# Altium PCB main_control_board.PcbDoc
Units mil, origin at the board's own origin, x right, y up, seen from the top; angles counter-clockwise.
Board outline 6000 x 4000 mil, 2 copper layers (Top Layer, Bottom Layer); 58 components, 57 nets, 284 pads, 110 vias.
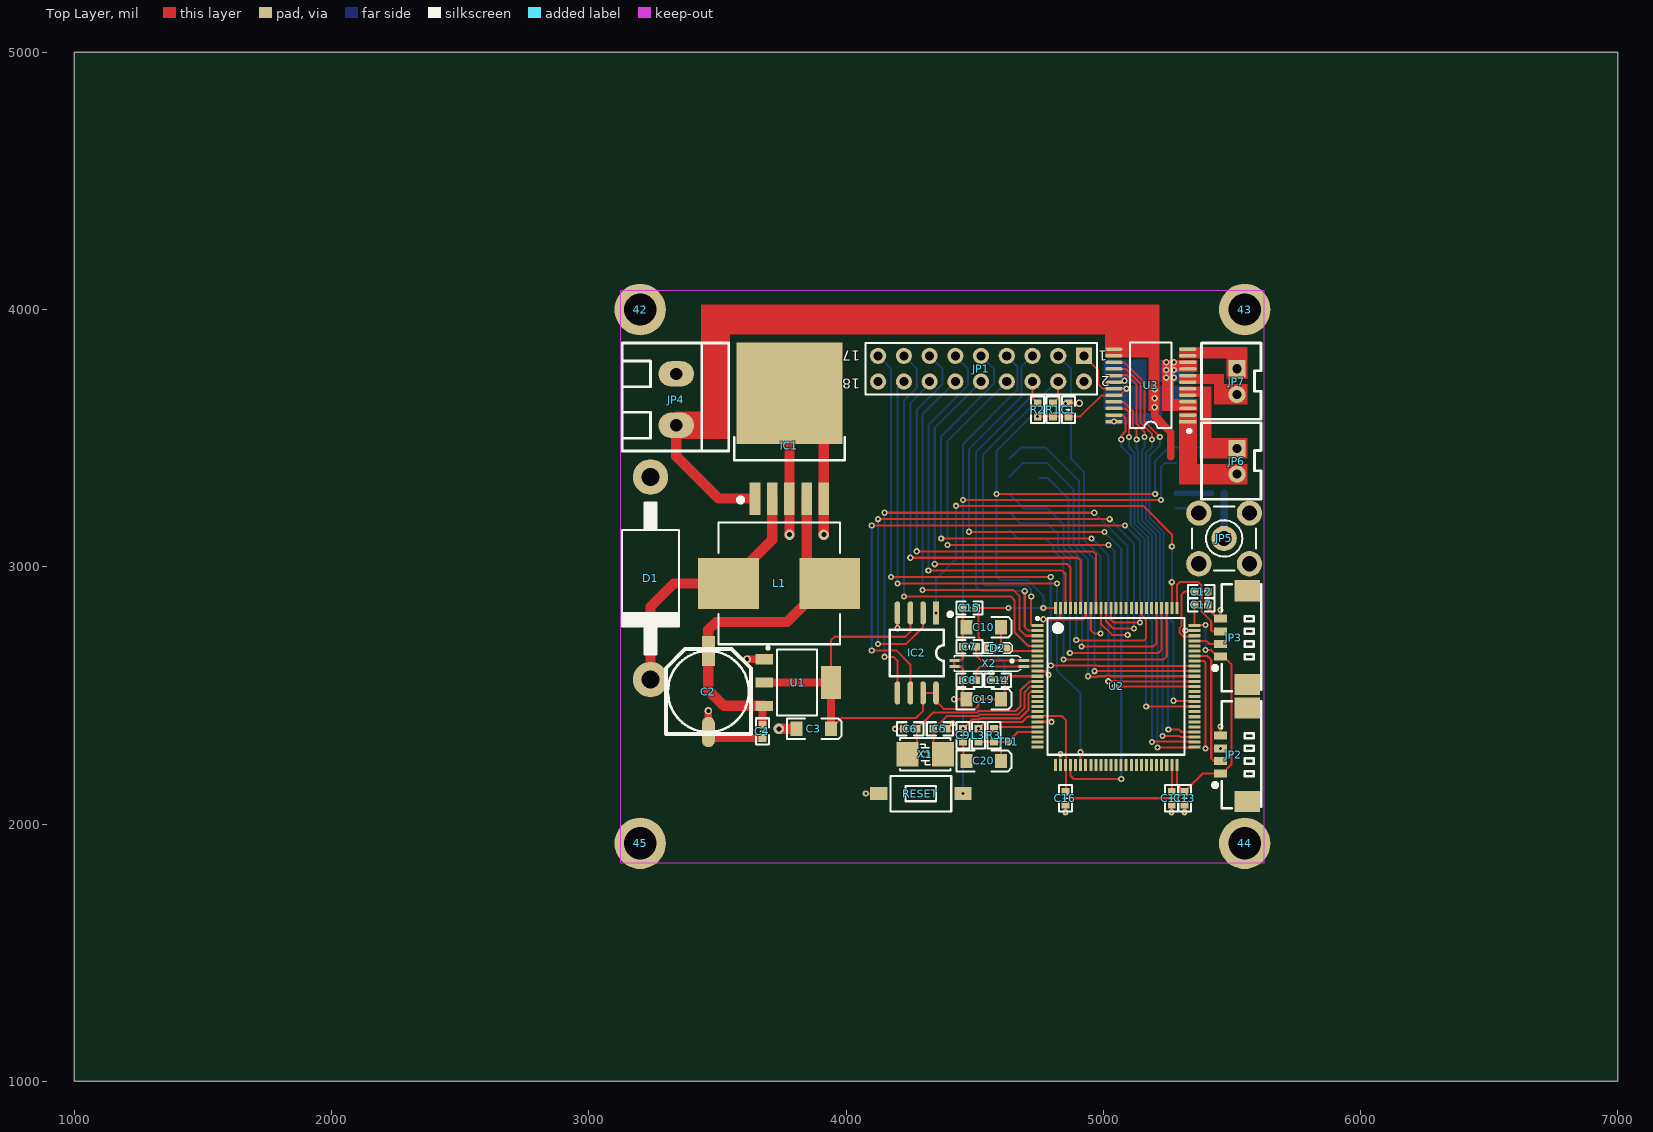
[diagram p0: Top Layer view]
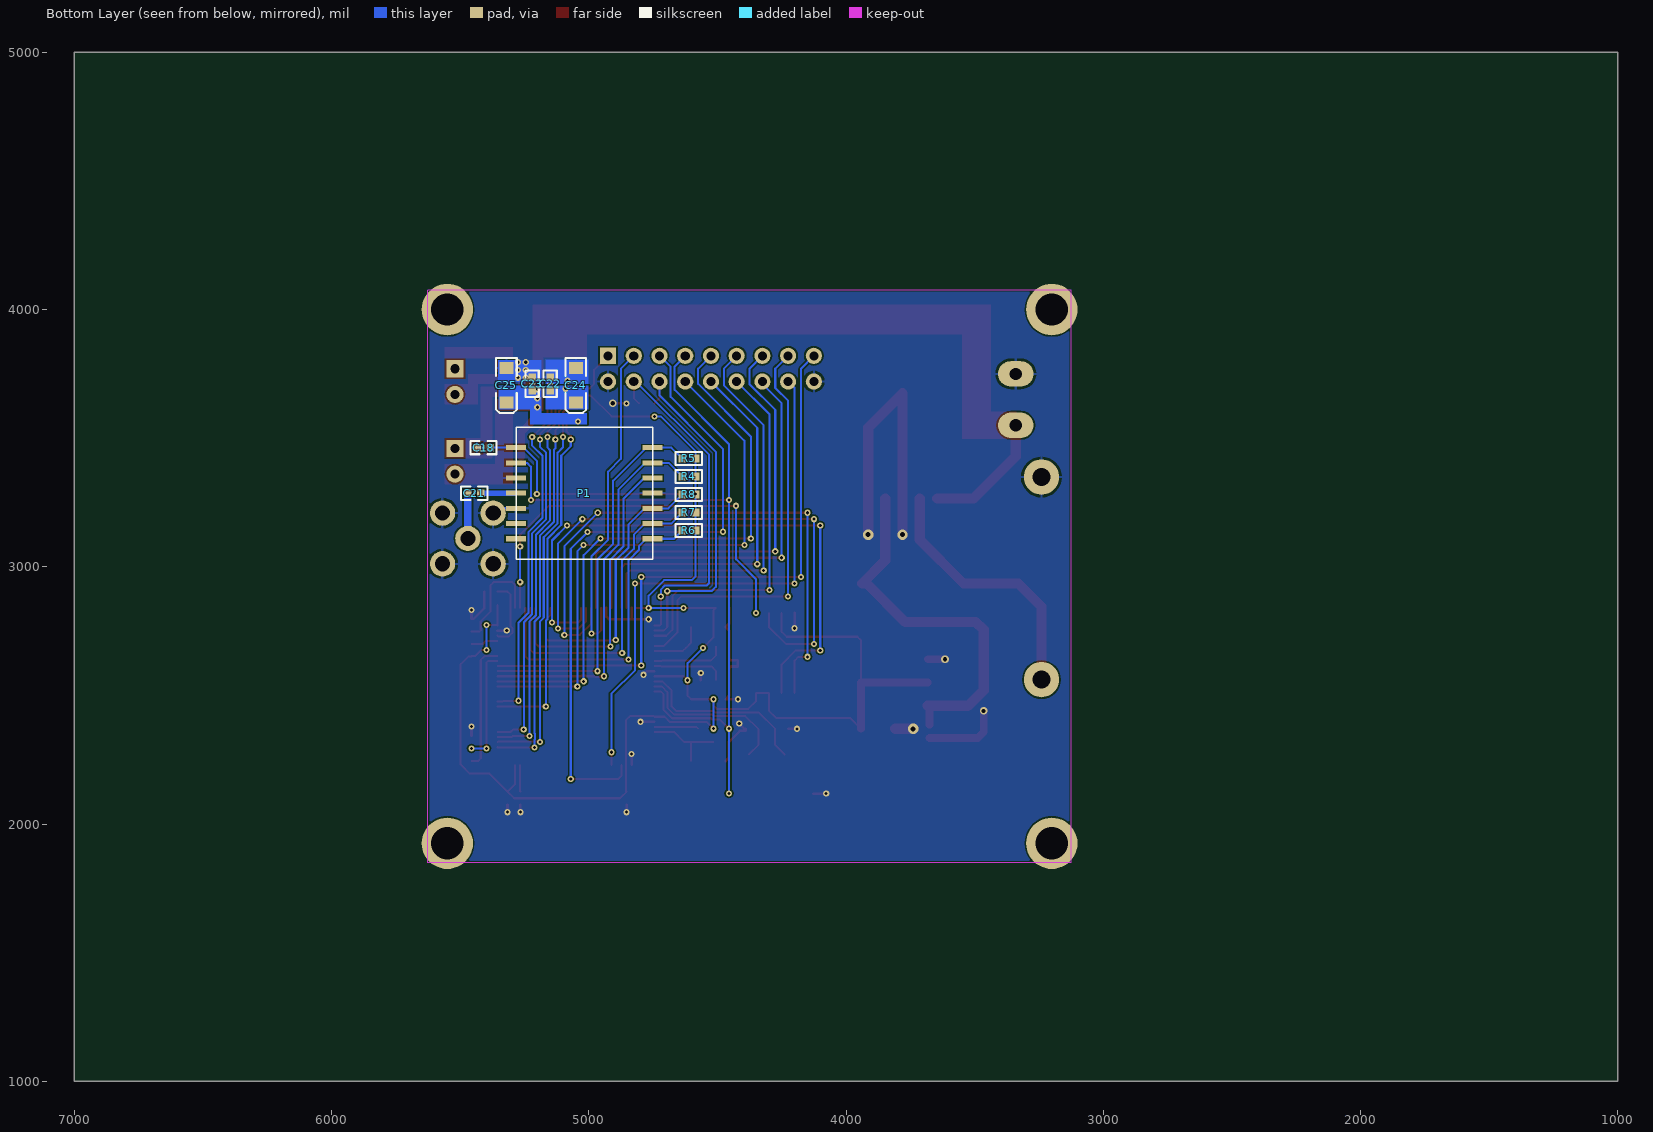
[diagram p1: Bottom Layer view, seen from below]

## Layer stack, top to bottom
Top Solder: solder mask 0.4, Solder Resist, Dk 3.5
Top Layer: signal copper 1.4
Dielectric 1: dielectric 12.6, FR-4, Dk 4.8
Bottom Layer: signal copper 1.4
Bottom Solder: solder mask 0.4, Solder Resist, Dk 3.5

## Board outline
1000,1000 7000,1000 7000,5000 1000,5000

## Design rules (kind name [scope] priority, off if disabled: settings)
Clearance [All] p1: gap=6
PolygonConnect PolygonConnect_Via [IsVia] p1: connectstyle=Direct reliefconductorwidth=10 reliefentries=4 polygonreliefangle="90 Angle" airgapwidth=10
PolygonConnect [All] p2: connectstyle=Relief reliefconductorwidth=10 reliefentries=4 polygonreliefangle="90 Angle" airgapwidth=10
RoutingVias [All] p1: holewidth=10 width=20 viastyle="Through Hole" minholewidth=10 minwidth=20 maxholewidth=28 maxwidth=50
SolderMaskExpansion [All] p1: expansion=4
Width [All] p1: maxlimit=50 minlimit=6 preferedwidth=10
30 further rules are at their usual default settings.

## Classes and differential pairs
component class U_camera: C1 JP1 R1 R2
component class U_debug_interface: JP2 JP3
component class U_tb6612fng: C22 C23 C24 C25 JP6 JP7 U3
component class U_power: C2 C3 C4 D1 IC1 JP4 L1 U1
component class U_spi_flash: IC2
component class U_stm32f4x7v: C5 C6 C7 C8 C9 C10 C11 C12 C13 C14 C15 C16 C17 C18 C19 C20 D2 L3 R3 RESET TP1 U2 X1 X2
component class U_wifi: C21 JP5 P1 R4 R5 R6 R7 R8

## Components (designator, comment, footprint, x,y, rotation, side; value= is the part's Value field where it differs from the comment)
42 "Comment" "M3 125X200" 3200,4000 r0 top
43 "Comment" "M3 125X200" 5550,4000 r0 top
44 "Comment" "M3 125X200" 5550,1925 r0 top
45 "Comment" "M3 125X200" 3200,1925 r0 top
C1 "104" "C 0603_L" 4865.01,3610 r270 top
C2 "220uF" "CM E(8*10.2)" 3465,2515 r90 top
C3 "10uF" "CD A(3216)" 3875,2370 r180 top
C4 "104" "C 0603_L" 3675,2360 r90 top
C5 "22pF" "C 0603_L" 4365,2370 r180 top
C6 "22pF" "C 0603_L" 4250,2370 r0 top
C7 "10pF" "C 0603_L" 4480,2689 r180 top
C8 "10pF" "C 0603_L" 4480,2559 r180 top
C9 "104" "C 0603_L" 4455,2345 r90 top
C10 "0.2F/3.3V" "CD A(3216)" 4535,2765 r180 top
C11 "2.2uF" "C 0603_L" 5266,2100 r90 top
C12 "2.2uF" "C 0603_L" 5381,2903 r180 top
C13 "104" "C 0603_L" 5316,2100 r90 top
C14 "104" "C 0603_L" 4590,2559 r0 top
C15 "104" "C 0603_L" 4480,2840 r0 top
C16 "104" "C 0603_L" 4853,2100 r90 top
C17 "104" "C 0603_L" 5381,2852 r180 top
C18 "104" "C 0603_L" 5409,3463 r180 bottom
C19 "10uF" "CD A(3216)" 4535,2485 r180 top
C20 "10uF" "CD A(3216)" 4535,2245 r180 top
C21 "104" "C 0603_L" 5445,3286 r180 bottom
C22 "104" "C 0603_L" 5150,3711.1 r270 bottom
C23 "104" "C 0603_L" 5220,3711.1 r270 bottom
C24 "10uF" "CD A(3216)" 5050,3706.1 r90 bottom
C25 "10uF" "CD A(3216)" 5320,3706.1 r90 bottom
D1 "1N5822" DO_201_AD 3240,2955 r270 top
D2 "Diode 1N4148" SOD-523 4590,2684 r0 top
IC1 "LM2576" TO263-5A 3780,3265 r0 top
IC2 "W25Qxx" SOP8W_N 4275,2665 r270 top
JP1 "OV2640" HDR2.54-LI-2x9P 4525,3770 r180 top
JP2 "USART1" "MX 1.25-LS-4P" 5545,2270 r90 top
JP3 "JLINK" "MX 1.25-LS-4P" 5545,2725 r90 top
JP4 "POWER" KF128-5.08-2P 3340,3650 r270 top
JP5 "SMA WIFI 天线接口" SMA_FR 5470,3110 r270 top
JP6 "HDR-1X2" XH2.54-LI-2P 5520,3410 r270 top
JP7 "HDR-1X2" XH2.54-LI-2P 5520,3720 r270 top
L1 "33uH" CDRH127 3740,2935 r0 top
L3 "Inductor" "R 0603_L" 4515,2345 r90 top
P1 "88W-8782/8801" W8782_MODULE 5020,3285 r270 bottom
R1 "2.2K" "R 0603_L" 4805,3610 r270 top
R2 "2.2K" "R 0603_L" 4745,3610 r270 top
R3 "0000" "R 0603_L" 4575,2345 r90 top
R4 "10K" "R 0603_L" 4611,3351 r0 bottom
R5 "10K" "R 0603_L" 4611,3421 r180 bottom
R6 "10K" "R 0603_L" 4611,3141 r180 bottom
R7 "10K" "R 0603_L" 4611,3211 r180 bottom
R8 "10K" "R 0603_L" 4611,3281 r180 bottom
RESET "RESET" "micro button_2_SMD" 4291,2118 r0 top
TP1 "Test" "TEST 0.8" 4630,2320 r0 top
U1 "AMS1117" SOT_223 3810,2550 r270 top
U2 "STM32F407VGT6" LQFP100_V 5050,2535 r0 top
U3 "TB6612FNG" SSOP24_N 5185,3705 r180 top
X1 "8MHz" "OSC 5032-2P" 4308,2270.59 r180 top
X2 "32.768KHz" "OSC MC-146" 4555,2624 r180 top

## Footprints (in the part's own frame and the unit in brackets; to place one, negate y for a bottom-side part, rotate by r counter-clockwise, add the part's x,y. Pads: shape width x height; smd on the part's side, far side on the other; paste and mask are expansions set on the pad)
"C 0603_L" [mil] "无极性贴片电容"
  rect 30x30 smd: 1(-25.59,0) 2(25.59,0)
  silkscreen extent -51,-26 51,26, body extent -31,-16 31,16, height 32
"CD A(3216)" [mm] "长3.2mm，宽1.6mm，厚1.6mm"
  rect 1.2x1.4 smd: 1(-1.7,0) 2(1.7,0)
  silkscreen extent -2.74,-1.02 2.67,1.02, body extent -1.6,-0.8 1.6,0.8, height 1.6
CDRH127 [mm]
  rect 6x5 smd: 1(-5,0) 2(5,0)
  silkscreen extent -6,-6 6,6, body extent -6,-6 6,6, height 7.5
"CM E(8*10.2)" [mm] "贴片电解电容，直径8mm，高10.2mm"
  rect 3x1.3 smd: 1(4,0)
  oval 3x1.3 smd: 2(-4,0)
  silkscreen extent -4.2,-4.2 4.2,4.2, body extent -4.5,-4.15 4.5,4.15, height 10.2
DO_201_AD [mm]
  round 3.5 hole 1.8: 1(-10,0) 2(10,0)
  silkscreen extent -7.5,-2.8 7.5,2.8, body extent -10.65,-2.65 10.65,2.65, height 5.65
HDR2.54-LI-2x9P [mm] "双排排针，9x2脚"
  rect 1.6x1.6 hole 0.9: 1(-10.16,-1.27)
  round 1.6 hole 0.9: 2(-10.16,1.27) 3(-7.62,-1.27) 4(-7.62,1.27) 5(-5.08,-1.27) 6(-5.08,1.27) 7(-2.54,-1.27) 8(-2.54,1.27) 9(0,-1.27) 10(0,1.27) 11(2.54,-1.27) 12(2.54,1.27) 13(5.08,-1.27) 14(5.08,1.27) 15(7.62,-1.27) 16(7.62,1.27) 17(10.16,-1.27) 18(10.16,1.27)
  silkscreen extent -11.43,-2.54 11.43,2.54, body extent -11.43,-2.54 11.43,2.54, height 8.5
KF128-5.08-2P [mm] "螺钉式接线端子，脚距5.08mm"
  oval 2.5x3.5 hole 1.2: 1(-2.54,0) 2(2.54,0)
  silkscreen extent -5.59,-5.31 5.08,5.21, body extent -5.58,-5.3 5.08,5.2, height 14.15
LQFP100_V [mm] "Thin QFP, 100-Leads, Body 14x14mm, Pitch 0.5mm, ST Recommended"
  rect 1.2x0.3 smd: 1(-7.75,6) 2(-7.75,5.5) 3(-7.75,5) 4(-7.75,4.5) 5(-7.75,4) 6(-7.75,3.5) 7(-7.75,3) 8(-7.75,2.5) 9(-7.75,2) 10(-7.75,1.5) 11(-7.75,1) 12(-7.75,0.5) 13(-7.75,0) 14(-7.75,-0.5) 15(-7.75,-1) 16(-7.75,-1.5) 17(-7.75,-2) 18(-7.75,-2.5) 19(-7.75,-3) 20(-7.75,-3.5) 21(-7.75,-4) 22(-7.75,-4.5) 23(-7.75,-5) 24(-7.75,-5.5) 25(-7.75,-6) 51(7.75,-6) 52(7.75,-5.5) 53(7.75,-5) 54(7.75,-4.5) 55(7.75,-4) 56(7.75,-3.5) 57(7.75,-3) 58(7.75,-2.5) 59(7.75,-2) 60(7.75,-1.5) 61(7.75,-1) 62(7.75,-0.5) 63(7.75,0) 64(7.75,0.5) 65(7.75,1) 66(7.75,1.5) 67(7.75,2) 68(7.75,2.5) 69(7.75,3) 70(7.75,3.5) 71(7.75,4) 72(7.75,4.5) 73(7.75,5) 74(7.75,5.5) 75(7.75,6)
  rect 0.3x1.2 smd: 26(-6,-7.75) 27(-5.5,-7.75) 28(-5,-7.75) 29(-4.5,-7.75) 30(-4,-7.75) 31(-3.5,-7.75) 32(-3,-7.75) 33(-2.5,-7.75) 34(-2,-7.75) 35(-1.5,-7.75) 36(-1,-7.75) 37(-0.5,-7.75) 38(0,-7.75) 39(0.5,-7.75) 40(1,-7.75) 41(1.5,-7.75) 42(2,-7.75) 43(2.5,-7.75) 44(3,-7.75) 45(3.5,-7.75) 46(4,-7.75) 47(4.5,-7.75) 48(5,-7.75) 49(5.5,-7.75) 50(6,-7.75) 76(6,7.75) 77(5.5,7.75) 78(5,7.75) 79(4.5,7.75) 80(4,7.75) 81(3.5,7.75) 82(3,7.75) 83(2.5,7.75) 84(2,7.75) 85(1.5,7.75) 86(1,7.75) 87(0.5,7.75) 88(0,7.75) 89(-0.5,7.75) 90(-1,7.75) 91(-1.5,7.75) 92(-2,7.75) 93(-2.5,7.75) 94(-3,7.75) 95(-3.5,7.75) 96(-4,7.75) 97(-4.5,7.75) 98(-5,7.75) 99(-5.5,7.75) 100(-6,7.75)
  silkscreen extent -7.87,-6.75 6.75,6.82, body extent -7,-7 7,7, height 1.6
"M3 125X200" [mil] "M3螺丝孔，孔125Mil，焊盘200Mil"
  round 200 hole 125: 1(0,0)
"micro button_2_SMD" [mm]
  rect 1.7x1.3 smd: 1(-4.15,0) 2(4.15,0)
  silkscreen extent -3,-1.76 3,1.74, body extent -4.5,-1.75 4.5,1.75, height 4.51
"MX 1.25-LS-4P" [mm] "长：9.75m，宽：3.7mm，高：4.7mm"
  rect 2.1x2.5 smd: 0(-4.632,-0.381) 0(4.604,-0.381)
  rect 0.8x1.3 smd: 1(-1.889,2.261) 2(-0.639,2.261) 3(0.611,2.261) 4(1.861,2.261)
  silkscreen extent -5.29,-1.78 5.27,2.99, body extent -5.07,-1.6 5.07,2.5, height 4.7
"OSC 5032-2P" [mm] "5mm*3.2mm*0.8mm(长*宽*高)"
  rect 2.2x2.4 smd: 1(-1.75,0) 2(1.75,0)
  silkscreen extent -2.5,-1.6 2.5,1.6, body extent -2.5,-1.6 2.5,1.6, height 0.86
"OSC MC-146" [mm] "6.7mm*1.5mm*1.4mm(长*宽*高)"
  rect 1x0.3 smd: 1(-3.45,-0.3) 2(3.4,-0.3) 3(3.4,0.3) 4(-3.45,0.3)
  silkscreen extent -3.17,-0.76 3.43,0.76, body extent -3.45,-0.75 3.45,0.75, height 1.45
"R 0603_L" [mil] "1/10W贴片电阻"
  rect 30x30 smd: 1(-25.59,0) 2(25.59,0)
  silkscreen extent -51,-26 51,26, body extent -31,-16 32,16, height 16
SMA_FR [mm] "SMA 90度射频天线座"
  round 2.5 hole 1.5: 1(0,0) 2(-2.5,2.5) 2(2.5,2.5) 3(-2.5,-2.5) 3(2.5,-2.5)
  silkscreen extent -3.15,-3.15 3.15,3.15, body extent -3.5,-3.5 3.5,11.6, height 10.26
SOD-523 [mm] "1.2x0.8X0.6mm（长宽高，不包括引脚）"
  rect 0.8x0.7 smd: 1(-0.85,0)
  oct 0.8x0.7 smd: 2(0.85,0)
  silkscreen extent -1.4,-0.51 1.45,0.51, body extent -0.8,-0.4 0.8,0.4, height 0.65
SOP8W_N [mm] "5.3*8.3*1.8mm（长宽高）"
  rect 2.3x0.55 smd: 1(-3.95,1.905)
  oval 2.3x0.55 smd: 2(-3.95,0.635) 3(-3.95,-0.635) 4(-3.95,-1.905) 5(3.95,-1.905) 6(3.95,-0.635) 7(3.95,0.635) 8(3.95,1.905)
  silkscreen extent -3.94,-2.67 2.29,3.43, body extent -3.94,-2.64 3.94,2.64, height 1.9
SOT_223 [mm]
  rect 1x1.7 smd: 1(-2.3,-3.25) 2(0,-3.25) 3(2.3,-3.25)
  rect 3.3x2 smd: 2(0,3.349)
  silkscreen extent -3.53,-3 3.28,1.98, body extent -3.25,-3.51 3.25,3.51, height 1.93
SSOP24_N [mm] "8.3*7.8*1.6（长宽高）"
  rect 1.7x0.35 smd: 1(-3.65,3.575)
  oval 1.7x0.35 smd: 2(-3.65,2.925) 3(-3.65,2.275) 4(-3.65,1.625) 5(-3.65,0.975) 6(-3.65,0.325) 7(-3.65,-0.325) 8(-3.65,-0.975) 9(-3.65,-1.625) 10(-3.65,-2.275) 11(-3.65,-2.925) 12(-3.65,-3.575) 13(3.65,-3.575) 14(3.65,-2.925) 15(3.65,-2.275) 16(3.65,-1.625) 17(3.65,-0.975) 18(3.65,-0.325) 19(3.65,0.325) 20(3.65,0.975) 21(3.65,1.625) 22(3.65,2.275) 23(3.65,2.925) 24(3.65,3.575)
  silkscreen extent -3.93,-4.23 2.06,4.63, body extent -3.85,-4.15 3.85,4.15, height 1.65
"TEST 0.8" [mm] "测试点0.8mm"
  round 0.8 smd: 1(0,0)
TO263-5A [mm] "263，5脚晶体管"
  rect 1.05x3.2 smd: 1(-3.4,0) 2(-1.7,0) 3(0,0) 4(1.7,0) 5(3.4,0)
  rect 10.45x10 smd: 3(0,10.414)
  silkscreen extent -5.46,-0.33 5.46,6.04, body extent -5,-0.01 5,13.32, height 4.5
W8782_MODULE [mm]
  rect 0.5x2 smd: 1(4.475,6.811) 2(2.975,6.811) 3(1.475,6.811) 4(-0.025,6.811) 5(-1.525,6.811) 6(-3.025,6.811) 7(-4.525,6.811) 8(-4.525,-6.689) 9(-3.025,-6.689) 10(-1.525,-6.689) 11(-0.025,-6.689) 12(1.475,-6.689) 13(2.975,-6.689) 14(4.475,-6.689)
  silkscreen extent -6.52,-6.65 6.48,6.81
XH2.54-LI-2P [mm] "接插件，2P"
  rect 1.7x1.7 hole 0.9: 1(-1.27,0)
  round 1.7 hole 0.9: 2(1.27,0)
  silkscreen extent -3.81,-3.51 3.74,2.37, body extent -3.77,-3.3 3.77,2.4, height 7.05

## Part data
C1 C4 C5 C6 C7 C8 C9 C11 C12 C13 C14 C15 C16 C17 C18 C21 C22 C23: library part Cap, "Capacitor"
C2 C3 C10 C19 C20 C24 C25: library part "Cap Pol1", "Polarized Capacitor (Radial)"
D1: library part "Diode 11DQ03", "Schottky Rectifier"
D2: "High Conductance Fast Diode"
IC1: "稳压"
IC2: "外置Flash"
JP1: library part "Header 9X2", "9*2P接插件"
JP2 JP3: library part "Header 4", "4P接插件"
JP4 JP6 JP7: library part "Header 2", "2P接插件"
JP5: library part SMA, "SMA-2.4G射频天线接口"
L1: library part Inductor, "Inductor"
P1: library part "Header 7X2", "Header, 7-Pin, Dual row"
R1 R2 R3 R4 R5 R6 R7 R8: library part Res2, "Resistor"
RESET: library part SW-PB, "Switch"
TP1: library part TEST, "测试点"
U2: "ARM Cortex-M4 32b MCU+FPU, 210DMIP, 1024 kB Flash, 192+4 kB RAM, Camera, 82 I/Os, 100-pin LQFP, -40 to +85癈, Tray"
U3: "DC_MOTOR_DRIVER"
X1: library part XTAL-2P, "2脚无源脚晶振"
X2: library part XTAL-MC-4P, "MC系列4脚晶振"

## Via types
v1: diameter 24, hole 12, Top Layer to Bottom Layer, 104 vias
v2: diameter 40, hole 20, Top Layer to Bottom Layer, 3 vias
v3: diameter 30, hole 16, Top Layer to Bottom Layer, 3 vias

## Nets (pads, with @x,y where several pads share a name; then routed paths per layer and width w, separated by ;. In a path a pad name is that pad's centre, name@x,y a point inside that pad or via, vN(x,y) a via of type N, cw(c..) or ccw(c..) an arc to the next point about the centre after c; other vN are vias at no path point)
+5V: C2.1 C4.2 IC1.4 L1.2 U1.3 | length 1467.6
  Top Layer w30: C4.2 3675,2452.41 U1.3
  Top Layer w40: U1.3 3525.55,2459.45 3465,2520 C2.1 3465,2755 3495,2785 3770,2785 3920,2935 L1.2 3846.93,3024.92 IC1.4
+12V: C23.2 C25.1 IC1.1 JP4.2 U3.13 U3.14 U3.24 | length 712.6
  Top Layer w30: v1(5200,3620) 5200,3586 5263,3523 5263,3428
  Top Layer w40: JP4.2 3340,3430 3505,3265 IC1.1
  other v1: 5041.3,3564.25 5200,3655 5200,3690
ANT: C21.2 P1.11 | length 140.1
  Bottom Layer w20: P1.11 C21.2@5423.4,3285.98
GND: C1.1 C2.2 C3.2 C4.1 C5.1 C6.1 C7.2 C8.2 C9.1 C10.2 C11.1 C12.1 C13.1 C14.1 C15.1 C16.1 C17.1 C18.1 C19.2 C20.2 C22.1 C23.1 C24.2 C25.2 D1.1 IC1.3 IC1.5 IC2.4 JP1.2 JP1.18 JP2.4 JP3.4 JP4.1 JP5.2 JP5.3 P1.4 P1.10 P1.12 RESET.1 U1.1 U2.10 U2.20 U2.27 U2.74 U2.94 U2.99 U3.3 U3.4 U3.9 U3.10 U3.18 X2.2 X2.3 | length 3340.9
  Top Layer w10: v1(4077,2118) RESET.1 ; v1(4191,2370) C6.1 ; v1(4200,2761) IC2.4 ; v1(4415,2391) 4394,2370 C5.1 4390.59,2362.41 4412,2362.41 C9.1 4455,2258.07 C20.2 ; v1(4420,2485) C19.2 4454.41,2498.66 C8.2 4454.41,2603.59 4445.81,2612.19 X2.3 X2.2 4446.81,2635.81 4454.41,2643.41 C7.2 4454.41,2751.34 C10.2 4454.41,2778.66 C15.1 ; C14.1 v1(4564.41,2587.59) ; U2.20 v1(4798.8,2397.2) ; U2.10 4772.94,2594.06 v1(4787,2580) ; v1(4767,2796) 4922,2796 4931.89,2805.89 U2.94 ; U2.27 v1(4833.46,2271.54) ; 4833.46,2796.46 U2.99 ; v1(4853,2046) C16.1 ; C1.1 v3(4906.59,3635.59) ; U3.18 5079.8,3717.8 5083,3721 v1(5083,3723) ; v1(5266,2046) C11.1 ; v1(5316,2046) C13.1 ; v1(5319,2752) 5354.65,2752 U2.74 ; C12.1 C17.1 5406.59,2838.41 5446.72,2798.28 JP3.4 v1(5456,2832) ; JP2.4 v1(5456,2379)
  Top Layer w30: v3(3465,2440) C2.2 3488.11,2334.41 C4.1 ; v3(3615.55,2640.55) U1.1
  Top Layer w40: v2(3739,2370) C3.2 ; v2(3780,3125) 3780,3265 3780,3675 3913.86,3541.14 IC1.5 v2(3913.86,3125)
  Bottom Layer w10: P1.12 5353.07,3226.93 JP5.3@5371.57,3208.43 ; v1(5319,2752) v1@5320,2751
  other v1: 4853,3635 5245,3735 5275,3735 5245,3765 5275,3765 5245,3795 5275,3795
IO1: P1.13
IO2: P1.14
NetC9_2: C9.2 JP1.7 P1.9 RESET.2 U2.14 | length 3155.3
  Top Layer w8: v1(4455,2370.59) 4489.86,2405.44 4519.84,2405.44 4525.4,2411 4676.25,2411 4710.26,2445.01 4710.26,2506.09 4719.48,2515.32 U2.14 ; v1(4455,3260) v1(5225,3260)
  Bottom Layer w8: v1(4455,2118.62) v1(4455,2370.59) 4455,3476 4666.5,3687.5 4666.5,3778.5 JP1.7 ; v1(5225,3260) 5225,3388.79 5240.31,3404.09 P1.9
NetC10_1: C10.1 D2.2 U2.6 | length 216
  Top Layer w8: C10.1 4601.93,2705.54 D2.2 4634.67,2672.8 U2.6
NetC11_2: C11.2 U2.49 | length 104.5
  Top Layer w8: C11.2 5266.54,2126.12 U2.49
NetC12_2: C12.2 U2.73 | length 272
  Top Layer w8: U2.73 5352.8,2729.54 5310.35,2729.54 5297,2742.89 5297,2761.11 5304,2768.11 5304,2891 5316,2903 C12.2
NetC20_1: C20.1 L3.1 R3.1 TP1.1 U2.22 | length 321.1
  Top Layer w8: L3.1 R3.1 4604,2319.41 ; C20.1 4601.93,2317.34 4604,2319.41 ; U2.22 4667.83,2357.83 TP1.1 4629.41,2319.41 4604,2319.41
NetC21_1: C21.1 JP5.1 | length 175.4
  Bottom Layer w30: JP5.1@5470.59,3110.59 C21.1
NetD1_2: D1.2 IC1.2 L1.1 | length 1024.5
  Top Layer w40: D1.2 3240,2845 3330,2935 L1.1 3713.07,3104.92 IC1.2
NetIC2_1: IC2.1 U2.77 | length 1619.5
  Top Layer w8: v1(4427,3237) 5155,3237 5266.54,3125.46 v1(5266.54,3079) ; U2.77 v1(5266.54,2940)
  Bottom Layer w8: v1(4350,2820.51) 4350,2952 4427,3029 v1(4427,3237) ; v1(5266.54,2940) v1(5266.54,3079)
NetJP1_3: JP1.3 U2.93 | length 1279
  Top Layer w8: U2.93 4951.57,2753.43 4965,2740 v1(4990,2740)
  Bottom Layer w8: JP1.3 4875,3770 4875,3420 4925,3370 4925,3105 4990,3040 v1(4990,2740)
NetJP1_4: JP1.4 R1.1 U2.1 | length 1363
  Top Layer w8: v1(4720,2885) 4720,2775 4723.78,2771.22 U2.1 ; R1.1 4825,3655.6 JP1.4
  Bottom Layer w8: v1(4720,2885) 4720,2911.11 4704.11,2927 4542,2927 4532,2937 4532,3435 4817,3720 JP1.4
NetJP1_5: JP1.5 U2.29 | length 2545.3
  Top Layer w8: v1(4478,3136) 5003.38,3136 v1(5004.38,3135) ; U2.29 4872.83,2187.17 4885,2175 v1(5070,2175)
  Bottom Layer w8: v1(4478,3136) 4477.84,3136.16 4477.84,3456.84 4682,3661 4682,3777 JP1.5 ; v1(5004.38,3135) 5070,3069.38 v1(5070,2175)
NetJP1_6: JP1.6 R2.1 U2.2 | length 1372.9
  Top Layer w8: v1(4695,2905) 4695,2765 4708.46,2751.54 U2.2 ; JP1.6 4725,3655.59 R2.1
  Bottom Layer w8: v1(4695,2905) 4523,2905 4506,2922 4506,3447 4725,3666 JP1.6
NetJP1_8: JP1.8 U2.63 | length 2226.9
  Top Layer w8: v1(4395,3085) v1(5020,3085) ; v1(5044.44,2534.44) 5045,2535 U2.63
  Bottom Layer w8: v1(4395,3085) 4395,3490 JP1.8 ; v1(5020,3085) 5044.44,3060.56 v1(5044.44,2534.44)
NetJP1_9: JP1.9 U2.64 | length 2319.6
  Top Layer w8: v1(4370,3110) v1(4955,3110) ; v1(5019.69,2554.68) 5033.57,2554.68 5035.33,2556.44 5053.56,2556.44 5055.31,2554.68 U2.64
  Bottom Layer w8: v1(4370,3110) 4370,3506.32 4575,3711.32 4575,3770 JP1.9 ; v1(4955,3110) 5019.69,3045.32 v1(5019.69,2554.68)
NetJP1_10: JP1.10 U2.97 | length 1474.8
  Top Layer w8: v1(4345,3010) 4860,3010 4872.83,2997.17 U2.97
  Bottom Layer w8: v1(4345,3010) 4345,3540 JP1.10
NetJP1_11: JP1.11 U2.98 | length 1590.2
  Top Layer w8: v1(4320,2985) 4840,2985 4853.15,2971.85 U2.98
  Bottom Layer w8: v1(4320,2985) 4320,3550 4475,3705 4475,3770 JP1.11
NetJP1_12: JP1.12 U2.3 | length 1460.8
  Top Layer w8: v1(4297,2910) 4650,2910 4675,2885 4675,2755 4698.15,2731.85 U2.3
  Bottom Layer w8: v1(4297,2910) 4297,3592 JP1.12
NetJP1_13: JP1.13 U2.92 | length 1731.7
  Top Layer w8: v1(4275,3060) 4960,3060 4971.26,3048.74 U2.92
  Bottom Layer w8: v1(4275,3060) 4275,3610 4375,3710 4375,3770 JP1.13
NetJP1_14: JP1.14 U2.95 | length 1570.1
  Top Layer w8: v1(4250,3035) 4900,3035 4912.2,3022.8 U2.95
  Bottom Layer w8: v1(4250,3035) 4250,3635 4330,3715 JP1.14
NetJP1_15: JP1.15 U2.5 | length 1649.3
  Top Layer w8: v1(4225,2885) 4640,2885 4655,2870 4655,2745 4707.52,2692.48 U2.5
  Bottom Layer w8: v1(4225,2885) 4225,3645 4275,3695 4275,3770 JP1.15
NetJP1_16: JP1.16 U2.31 | length 2158.7
  Top Layer w8: v1(4200,2935) v1(4820,2935) ; v1(4912,2279) 4912,2230.09 U2.31
  Bottom Layer w8: v1(4200,2935) 4200,3695 JP1.16 ; v1(4820,2935) 4820,2598 4912,2506 v1(4912,2279)
NetJP1_17: JP1.17 U2.67 | length 2405.7
  Top Layer w8: v1(4175,2960) v1(4796.06,2960) ; v1(4796.06,2616.06) 4975.17,2616.06 4977.48,2613.74 U2.67
  Bottom Layer w8: JP1.17 4175,3770 v1(4175,2960) ; v1(4796.06,2616.06) v1(4796.06,2960)
NetJP2_2: JP2.2 U2.69 | length 494.3
  Top Layer w8: U2.69 5355.23,2653 5405,2653 5420,2638 5420,2255 5430.15,2244.85 JP2.2
NetJP2_3: JP2.3 U2.68 | length 436.5
  Top Layer w8: U2.68 5391.57,2633.43 5398,2627 v1(5398,2294)
  Bottom Layer w8: v1(5398,2294) v1(5456,2294)
NetJP3_2: JP3.2 U2.72 | length 106
  Top Layer w8: U2.72 5400.83,2712.17 5413.15,2699.85 JP3.2
NetJP3_3: JP3.3 U2.76 | length 422.8
  Top Layer w8: U2.76 5286.22,2929.22 5297,2940 5370.19,2940 5381.59,2928.59 5381.59,2826.41 5420,2788 5420,2753 5423.94,2749.06 JP3.3
NetJP6_1: JP6.1 U3.5 U3.6
NetJP6_2: JP6.2 U3.1 U3.2
NetJP7_1: JP7.1 U3.11 U3.12
NetJP7_2: JP7.2 U3.7 U3.8
NetR3_2: R3.2 U2.21 | length 172.8
  Top Layer w8: R3.2 4581.94,2377.52 U2.21
NetU2_51: U2.51 U3.21 | length 1581.5
  Top Layer w8: U3.21 5078.98,3641.02 5115,3605 5115,3545 5130,3530 v1(5130,3495) ; v1(5211,2298) 5354.34,2298 U2.51
  Bottom Layer w8: v1(5130,3495) 5130,3460 5136,3454 5136,3174 5190,3120 5190,2806.71 5211,2785.71 5211,2353.11 5209,2351.11 5209,2330.11 5211,2328.11 v1(5211,2298)
NetU2_52: U2.52 U3.22 | length 1550.1
  Top Layer w8: U3.22 5084.57,3615.43 5100,3600 v1(5100,3505) ; v1(5189,2319) 5190,2320 5353.58,2320 U2.52
  Bottom Layer w8: v1(5100,3505) 5100,3465 5121,3444 5121,3169 5175,3115 5175,2801.91 5189,2787.91 v1(5189,2319)
NetU2_53: U2.53 U3.17 | length 1645.2
  Top Layer w8: U3.17 5042.91,3745 5092.11,3745 5130,3707.11 5130,3555 5160,3525 v1(5160,3505) ; v1(5231,2342) 5296.15,2342 5300,2338.15 U2.53
  Bottom Layer w8: v1(5160,3505) 5160,3463 5151,3454 5151,3179 5205,3125 5205,2811.51 5231,2785.51 v1(5231,2342)
NetU2_54: U2.54 U3.16 | length 1642.2
  Top Layer w8: U3.16 5087.94,3768.98 5145,3711.91 5145,3560.2 5190,3515.2 v1(5190,3495) ; v1(5253,2368) 5294,2368 5304.17,2357.83 U2.54
  Bottom Layer w8: v1(5190,3495) 5190,3467 5166,3443 5166,3184 5219.98,3130.02 5219.98,2816.33 5251,2785.31 5251,2370 v1(5253,2368)
NetU2_59: U2.59 U3.23 | length 1406.4
  Top Layer w8: U3.23 5075.16,3589.84 5086,3579 5086,3525.8 5070,3509.8 v1(5070,3495) ; v1(5167,2457) 5354.38,2457 U2.59
  Bottom Layer w8: v1(5070,3495) 5070,3469 5107,3432 5107,3163 5160,3110 5160,2797.11 5167,2790.11 v1(5167,2457)
NetU2_60: U2.60 U3.15 | length 1552
  Top Layer w8: U3.15 5082.14,3794.57 5160,3716.71 5160,3565 v1(5220,3505) ; v1(5273,2479) 5331,2479 5334.06,2475.94 U2.60
  Bottom Layer w8: v1(5220,3505) 5220,3471 5180,3431 5180,3190 5234,3136 5234,3122.83 ; 5233.98,3122.8 5233.98,2822.13 5273,2783.11 v1(5273,2479)
OSC32_IN: C7.1 U2.8 X2.1 | length 282.6
  Top Layer w8: C7.1 4505.59,2654.41 4524.2,2635.8 X2.1 4714.2,2635.8 4716.57,2633.43 U2.8
OSC32_OUT: C8.1 U2.9 X2.4 | length 283.4
  Top Layer w8: C8.1 4505.59,2595.59 4522.18,2612.18 X2.4 4717.18,2612.18 4718.74,2613.74 U2.9
OSC_IN: C6.2 U2.12 X1.2 | length 696.1
  Top Layer w8: X1.2 4275.59,2307.08 C6.2 4339.03,2433.44 4508.24,2433.44 4513.8,2439 4659,2439 4678.26,2458.26 4678.26,2519.35 4713.6,2554.68 U2.12
OSC_OUT: C5.2 U2.13 X1.1 | length 624.5
  Top Layer w8: X1.1 4339.41,2308.08 C5.2 4341.89,2370 4391.33,2419.44 4514.04,2419.44 4519.6,2425 4667.63,2425 4694.26,2451.63 4694.26,2512.72 4716.54,2535 U2.13
SDIO_CK: P1.5 U2.80 | length 1179
  Top Layer w8: v1(4915,2690) 5195,2690 5207.48,2702.48 U2.80
  Bottom Layer w8: P1.5 4784.96,3345.04 4865,3265 4865,3080 4917,3028 4917,2692 v1(4915,2690)
SDIO_CMD: P1.3 R8.1 U2.83 | length 1129.5
  Top Layer w8: v1(4895,2715) 4897,2713 5158,2713 5167,2722 5167,2794.11 5148.43,2812.69 U2.83
  Bottom Layer w8: R8.1 4690.66,3226.93 P1.3 4783.07,3226.93 4845,3165 4845,3075 4895,3025 v1(4895,2715)
SDIO_D0: P1.6 R4.2 U2.65 | length 1480.5
  Top Layer w8: v1(4940.63,2574.37) 4954.63,2574.37 4956.94,2572.06 4975.17,2572.06 4977.48,2574.37 5008.26,2574.37 5010.57,2576.68 5028.8,2576.68 5031.11,2574.37 U2.65
  Bottom Layer w8: R4.2 4689.68,3404.09 P1.6 4780.91,3404.09 4885,3300 4885,3085 4940.63,3029.37 v1(4940.63,2574.37)
SDIO_D1: P1.7 R5.1 U2.66 | length 1494.2
  Top Layer w8: v1(4966.06,2594.06) U2.66
  Bottom Layer w8: R5.1 4678.75,3463.15 P1.7 4776.85,3463.15 4905,3335 4905,3090 4966.06,3028.94 v1(4966.06,2594.06)
SDIO_D2: P1.1 R6.1 U2.78 | length 1245.3
  Top Layer w8: v1(4845,2640) 5235,2640 5246.85,2651.85 U2.78
  Bottom Layer w8: R6.1 4668.77,3108.82 P1.1 4776.18,3108.82 4805,3080 4805,3065 4845,3025 v1(4845,2640)
SDIO_D3: P1.2 R7.1 U2.79 | length 1227.8
  Top Layer w8: v1(4870,2665) 5215,2665 5227.17,2677.17 U2.79
  Bottom Layer w8: R7.1 4679.72,3167.87 P1.2 4782.13,3167.87 4825,3125 4825,3070 4870,3025 v1(4870,2665)
SPI1_MISO: IC2.2 U2.90 | length 2279.1
  Top Layer w8: v1(4125,2700) 4234,2700 4300,2766 IC2.2 ; v1(4125,3185) v1(5025,3185) ; U2.90 5010.63,2788.37 5039,2760 v1(5120,2760)
  Bottom Layer w8: v1(4125,2700) v1(4125,3185) ; v1(5025,3185) 5120,3090 v1(5120,2760)
SPI1_MOSI: IC2.5 U2.91 | length 2268.9
  Top Layer w8: v1(4150,2650) 4185,2650 4200,2635 IC2.5 ; v1(4150,3210) v1(4965,3210) ; U2.91 4990.94,2779.06 5035,2735 v1(5095,2735)
  Bottom Layer w8: v1(4150,2650) v1(4150,3210) ; v1(4965,3210) 5095,3080 v1(5095,2735)
SPI1_SCK: IC2.6 U2.89 | length 2317.3
  Top Layer w8: v1(4100,2675) 4195,2675 4250,2620 IC2.6 ; v1(4100,3160) v1(5085,3160) ; U2.89 5030.31,2794.68 5042,2783 v1(5143,2783)
  Bottom Layer w8: v1(4100,2675) v1(4100,3160) ; v1(5085,3160) 5143,3102 v1(5143,2783)
VCC: C1.2 C3.1 C13.2 C14.2 C15.2 C16.2 C17.2 C18.2 C19.1 C22.2 C24.1 D2.1 IC2.3 IC2.7 IC2.8 JP1.1 JP2.1 JP3.1 L3.2 P1.8 R1.2 R2.2 R4.1 R5.2 R6.2 R7.2 R8.2 U1.2 U2.11 U2.19 U2.28 U2.50 U2.75 U2.100 U3.19 U3.20 | length 7559.3
  Top Layer w8: U1.2@3941.84,2550 3941.84,2713.84 3956,2728 4231,2728 4250,2747 IC2.3 ; C3.1 3983.93,2412 4271,2412 4300,2441 IC2.7 IC2.8 4350,2477 4379.56,2447.44 4502.44,2447.44 4515,2460 v1(4515,2485) C19.1 4615.59,2498.66 v1(4615.59,2559) 4630.96,2574.37 U2.11 ; v1(4515,2370.59) 4541,2396.59 4684.47,2396.59 4704.77,2416.89 U2.19 4747.2,2419.2 4839.8,2419.2 4855.46,2403.54 4855.46,2128.05 C16.2 4878.59,2100 5290.42,2100 C13.2 ; v1(4556.54,2684) 4515,2725.54 4515,2830.58 C15.2 v1(4632,2840) ; v1(4585.41,3282.41) v1(5202,3282.41) ; v1(4745,3584.41) R1.2 C1.2 4911.41,3584.41 4993.61,3666.61 U3.20 5065.2,3666.61 v1(5090.8,3692.2) U3.19 4998.8,3692.2 4979,3712 4979,3766 JP1.1 ; v1(4767,2840) 4767.12,2840.12 U2.100 ; U2.50 5286.22,2155.37 C13.2 ; C17.2 5355.41,2771.51 U2.75 5357.9,2774 v1(5398,2774) ; v1(5398,2676) 5419.1,2676 5442,2653.1 5456,2653.1 JP3.1 5468.36,2650.64 5498,2621 5498,2231.37 5462.27,2195.64 JP2.1 5386.05,2195.64 C13.2
  Top Layer w30: U1.2@3682.05,2550 3941.84,2550 3941.93,2549.91 C3.1
  Bottom Layer w8: v1(4515,2370.59) v1(4515,2485) ; v1(4556.54,2684) 4615.59,2624.95 v1(4615.59,2559) ; v1(4632,2840) v1(4767,2840) 4767,2888 4707,2948 4599,2948 4585.41,2961.59 R6.2 R7.2 R8.2 v1(4585.41,3282.41) R5.2 4585.41,3450.41 4719.41,3584.41 v1(4745,3584.41) ; v1(5202,3282.41) 5202,3412 5253.15,3463.15 P1.8 C18.2@5383.26,3463.15 ; v1(5398,2676) v1(5398,2774)
pads on no net: 42.1 43.1 44.1 45.1 JP2.0 JP3.0 U2.4 U2.7 U2.15 U2.16 U2.17 U2.18 U2.23 U2.24 U2.25 U2.26 U2.30 U2.32 U2.33 U2.34 U2.35 U2.36 U2.37 U2.38 U2.39 U2.40 U2.41 U2.42 U2.43 U2.44 U2.45 U2.46 U2.47 U2.48 U2.55 U2.56 U2.57 U2.58 U2.61 U2.62 U2.70 U2.71 U2.81 U2.82 U2.84 U2.85 U2.86 U2.87 U2.88 U2.96

## Polygon pours and split planes (outlines as drawn)
GND on Bottom Layer "Layer-GND" (solid, remove dead copper, pour order 0): 3125,4075 3125,1850 5625,1850 5625,4075 3125,4075

## Keep-outs
Keep-Out Layer:
  lines w1: 3125,1850 5625,1850 5625,3800 5625,4075 3125,4075 3125,1850

## Other copper
Top Layer:
  rectangle net +12V: 5007,3853 5219,3945
  rectangle net +12V: 3550,3903 5219,4020
  rectangle net +12V: 3436,3604 3550,4020
  rectangle net +12V: 3338,3496 3550,3604
  rectangle net NetJP7_1: 5295,3810 5560,3855
  rectangle net NetJP7_1: 5480,3730 5560,3810
  rectangle net NetJP7_2: 5295,3710 5470,3750
  rectangle net NetJP7_2: 5430,3630 5470,3710
  rectangle net NetJP7_2: 5470,3630 5560,3710
  rectangle net NetJP6_1: 5295,3660 5420,3700
  rectangle net NetJP6_1: 5375,3420 5420,3660
  rectangle net NetJP6_1: 5420,3420 5560,3500
  rectangle net NetJP6_2: 5295,3320 5365,3600
  rectangle net NetJP6_2: 5365,3320 5560,3400
  rectangle net GND: 5229,3606 5275,3804
  rectangle net GND: 5275,3758 5366,3804
  rectangle net GND: 5275,3606 5366,3652
  rectangle net +12V: 5007,3813 5219,3853
  rectangle net +12V: 5175,3606 5219,3813
Bottom Layer:
  rectangle net VCC: 5001,3612 5169,3704
  rectangle net GND: 5002,3711 5169,3805
  rectangle net GND: 5184,3718 5353,3804
  rectangle net +12V: 5184,3611 5350,3704
  rectangle net +12V: 5184,3553 5229,3611
  rectangle net +12V: 5007,3553 5184,3598

## Text inside footprints (layer, text, board x,y; h text height)
JP1: Top Overlay "2" at 5025,3740 h40 r180; Top Overlay "1" at 5015,3840 h40 r180; Top Overlay "18" at 4055,3730 h40 r180; Top Overlay "17" at 4055,3840 h40 r180